# Altium PCB SVPX_FMC_6U_SOM.PcbDoc (part 1 of 9) (continued)
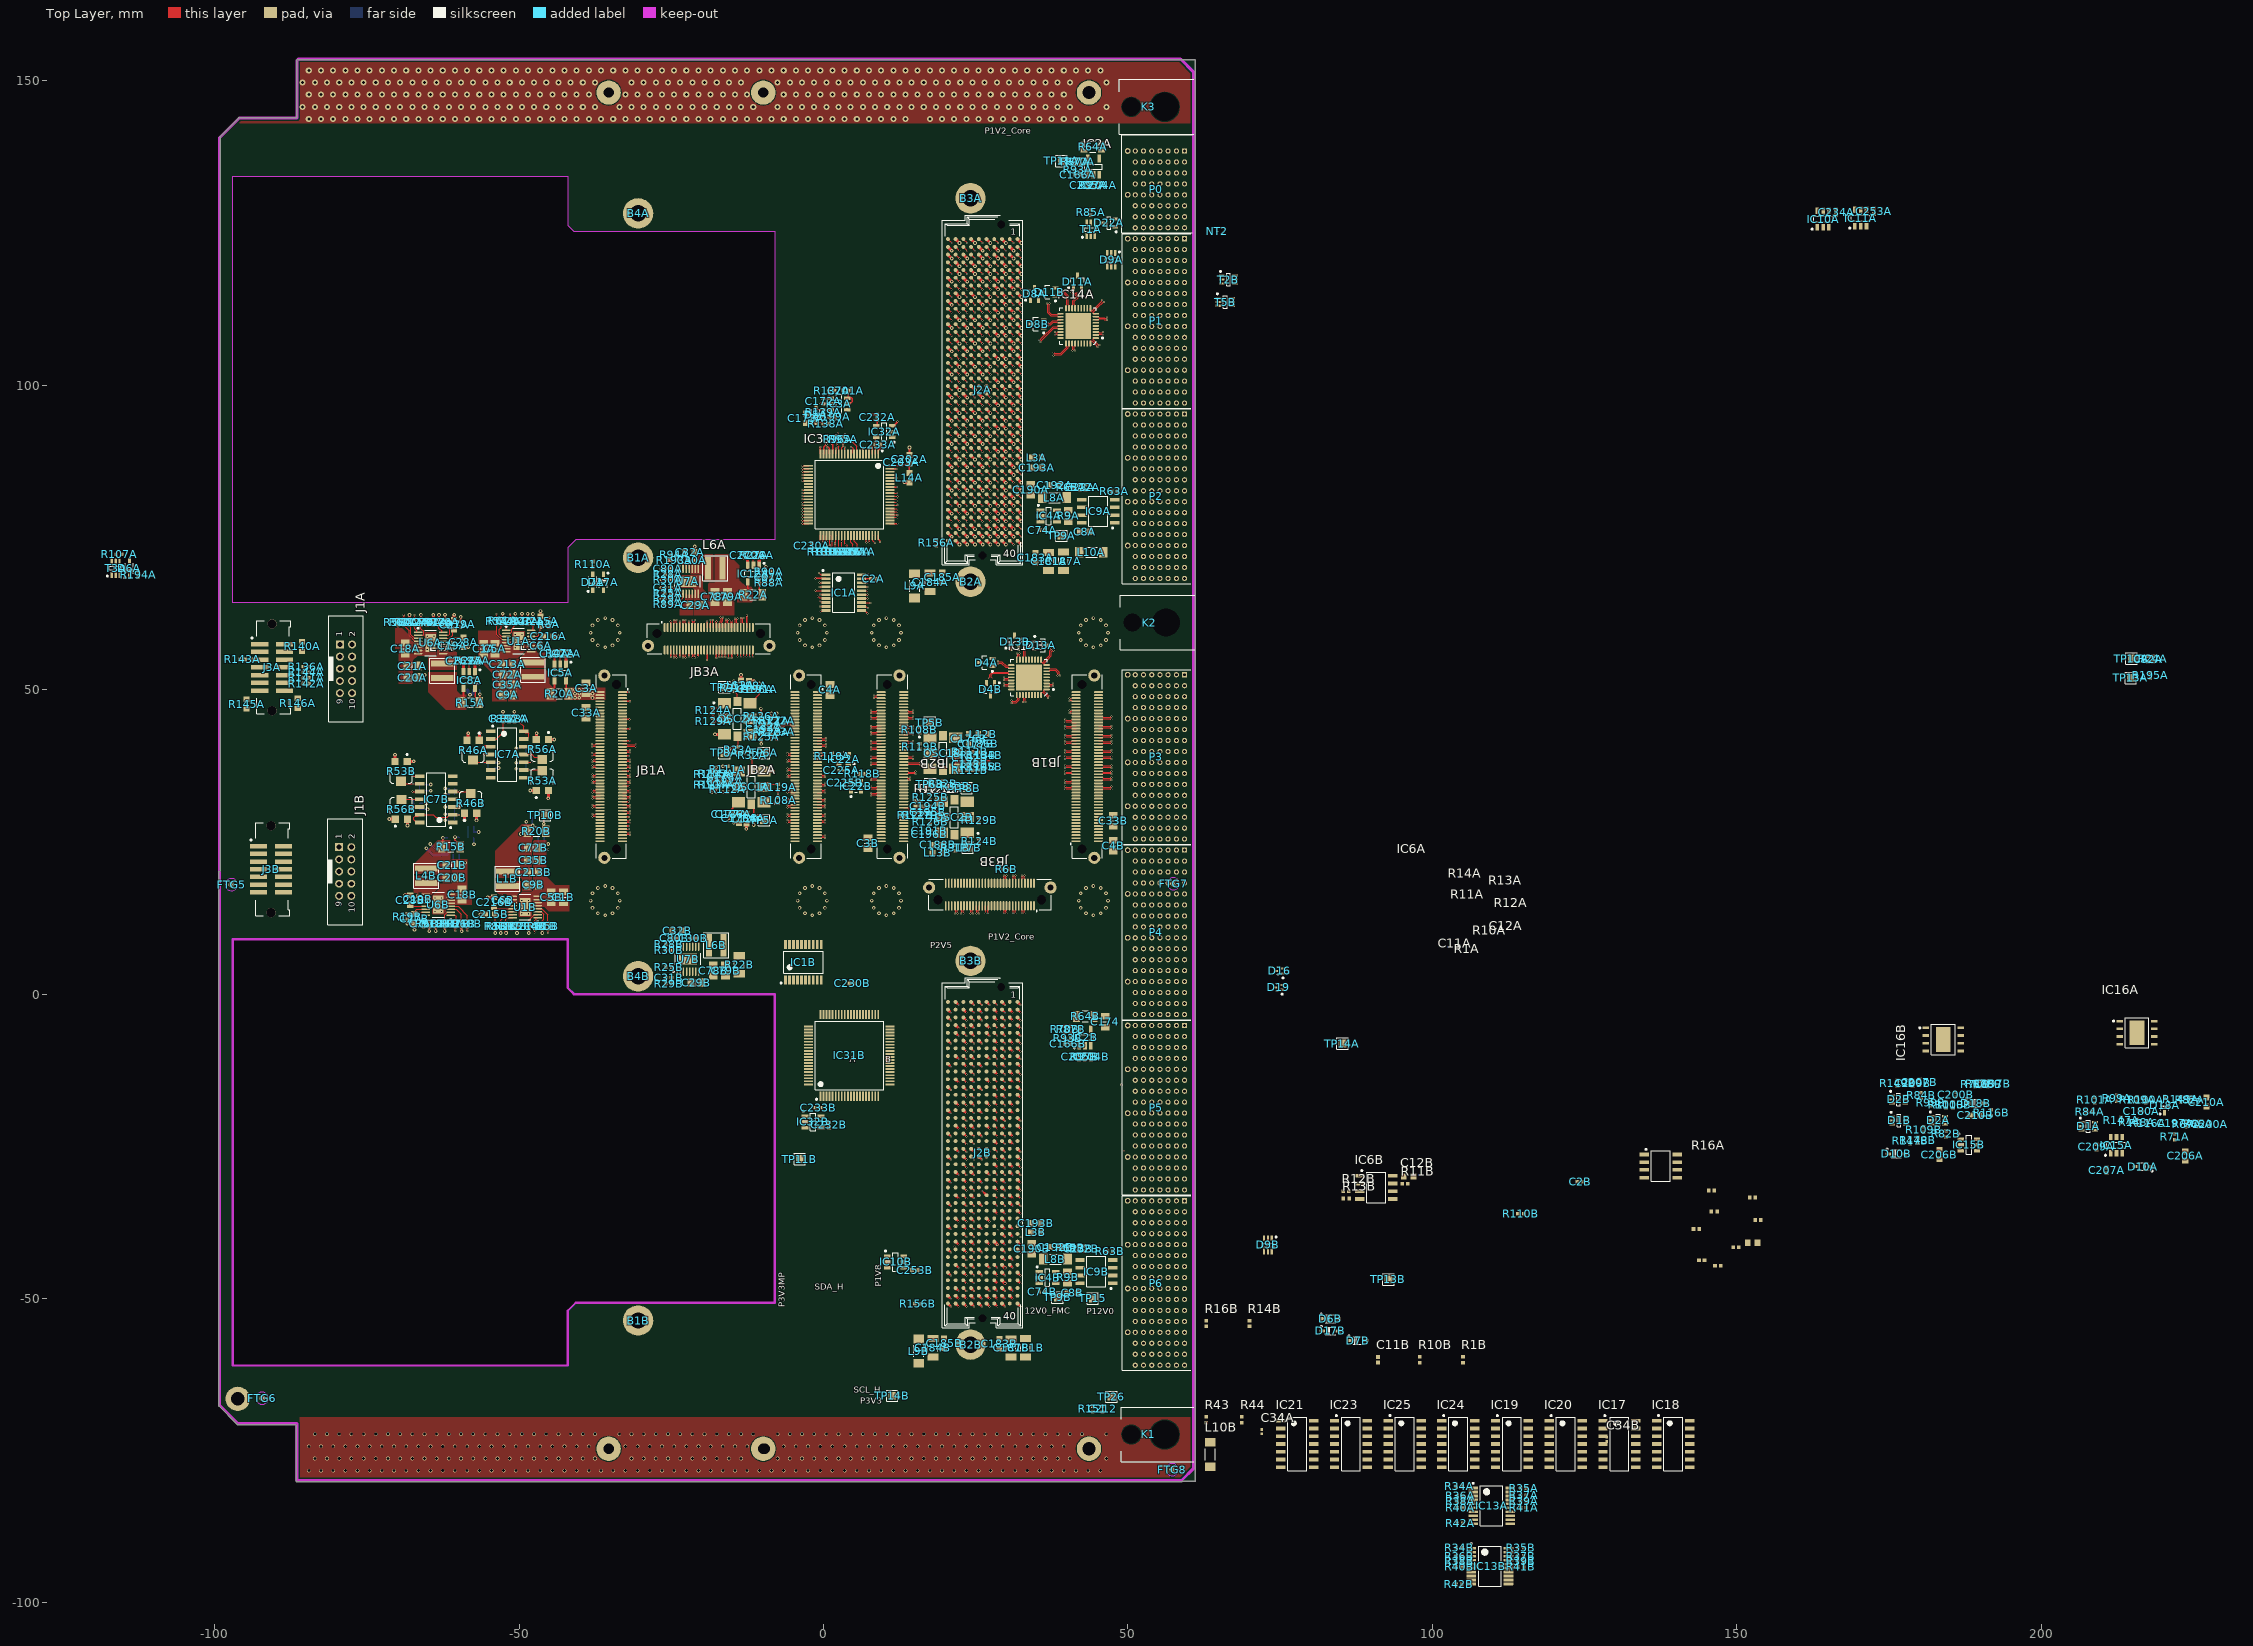
[diagram p0: Top Layer view]
## Design rules (kind name [scope] priority, off if disabled: settings) (continued)
MatchedLengths MatchedLengths_xDP [InxSignalClass('DP')] p3: tolerance=1 checknetsindiffpair=FALSE checkdiffpairvsdiffpair=TRUE checkxsignals=TRUE checkothers=TRUE
MatchedLengths MatchedLengths_Ain [InNetClass('SpW_01_in')] p4: tolerance=2 checknetsindiffpair=FALSE checkdiffpairvsdiffpair=TRUE checkxsignals=TRUE checkothers=TRUE
MatchedLengths MatchedLengths_Aout [InNetClass('SpW_01_out')] p5: tolerance=2 checknetsindiffpair=FALSE checkdiffpairvsdiffpair=TRUE checkxsignals=TRUE checkothers=TRUE
MatchedLengths MatchedLengths_Bin [InNetClass('SpW_02_in')] p6: tolerance=2 checknetsindiffpair=FALSE checkdiffpairvsdiffpair=TRUE checkxsignals=TRUE checkothers=TRUE
MatchedLengths MatchedLengths_Bout [InNetClass('SpW_02_out')] p7: tolerance=2 checknetsindiffpair=FALSE checkdiffpairvsdiffpair=TRUE checkxsignals=TRUE checkothers=TRUE
MatchedLengths MatchedLengths_LPDDR [InNetClass('LPDDR')] p8: tolerance=0.1 checknetsindiffpair=FALSE checkdiffpairvsdiffpair=TRUE checkxsignals=TRUE checkothers=TRUE
MatchedLengths [(InDifferentialPairClass('All Differential Pairs'))] p9: tolerance=2 checknetsindiffpair=TRUE checkdiffpairvsdiffpair=FALSE checkxsignals=FALSE checkothers=FALSE
MinimumAnnularRing MinimumAnnularRing_mid [OnMid] p1: minimumring=0.1
MinimumAnnularRing MinimumAnnularRing_out [OnBottomLayer or OnTopLayer] p2: minimumring=0.1
MinimumSolderMaskSliver [All] p1: minsoldermaskwidth=0.25
PlaneClearance [All] p1: clearance=0.254
PlaneConnect [All] p1: planeconnectstyle=Direct reliefexpansion=0.508 reliefentries=4 reliefconductorwidth=0.254 reliefairgap=0.254
PolygonConnect PolygonConnect_thermal [HasFootprint('CAPC1608X87N') or HasFootprint('RESC1005X40N') or HasFootprint('CAPC1005X55N')] p1: connectstyle=Relief reliefconductorwidth=0.254 reliefentries=4 polygonreliefangle="90 Angle" airgapwidth=0.254
PolygonConnect PolygonConnect_IsVia [IsVia] p2: connectstyle=Direct reliefconductorwidth=0.254 reliefentries=4 polygonreliefangle="90 Angle" airgapwidth=0.254
PolygonConnect PolygonConnect_VS [(InNet('VS1') OR InNet('VS2')) or InNetClass('Power')] p3: connectstyle=Direct reliefconductorwidth=0.254 reliefentries=4 polygonreliefangle="90 Angle" airgapwidth=0.152
PolygonConnect PolygonConnect_1 [All] p4: connectstyle=Relief reliefconductorwidth=0.254 reliefentries=4 polygonreliefangle="90 Angle" airgapwidth=0.254
RoomDefinition U_MISC_Protection [InComponentClass('U_MISC_Protection')] p1: confinementstyle=ConfineIn formatcopy=TRUE lockcomponents=FALSE outline 62.196,-78.723 143.45,-78.723 143.45,-66.302 62.196,-66.302
RoomDefinition U_LVDS_Splitter1 [InComponentClass('U_LVDS_Splitter1')] p2: confinementstyle=ConfineIn formatcopy=TRUE lockcomponents=FALSE outline 62.18,-62.298 147.335,-62.298 147.335,-57.623 62.18,-57.623
RoomDefinition WR_OSC2 [InComponentClass('WR_OSC2')] p3: confinementstyle=ConfineIn formatcopy=TRUE lockcomponents=FALSE outline -244.535,-268.283 -193.735,-268.283 -193.735,-242.883 -244.535,-242.883
RoomDefinition WR_OSC1 [InComponentClass('WR_OSC1')] p4: confinementstyle=ConfineIn formatcopy=TRUE lockcomponents=FALSE outline 62.18,-0.645 394.497,-0.645 394.497,9.981 62.18,9.981
RoomDefinition U_NIC_MSP430_power_jtag1 [InComponentClass('U_NIC_MSP430_power_jtag1')] p5: confinementstyle=ConfineIn formatcopy=TRUE lockcomponents=FALSE outline 82.398,184.53 248.556,184.53 248.556,191.43 82.398,191.43
RoomDefinition U_management2 [InComponentClass('U_management2')] p6: confinementstyle=ConfineIn formatcopy=TRUE lockcomponents=FALSE outline -244.535,-268.283 -193.735,-268.283 -193.735,-242.883 -244.535,-242.883
RoomDefinition U_management1 [InComponentClass('U_management1')] p7: confinementstyle=ConfineIn formatcopy=TRUE lockcomponents=FALSE outline 94.923,115.08 243.855,115.08 243.855,122.255 94.923,122.255
RoomDefinition U_FPGA_Config2 [InComponentClass('U_FPGA_Config2')] p8: confinementstyle=ConfineIn formatcopy=TRUE lockcomponents=FALSE outline -244.535,-268.283 -193.735,-268.283 -193.735,-242.883 -244.535,-242.883
RoomDefinition U_FPGA_Config1 [InComponentClass('U_FPGA_Config1')] p9: confinementstyle=ConfineIn formatcopy=TRUE lockcomponents=FALSE outline 62.18,-45.022 371.57,-45.022 371.57,-31.096 62.18,-31.096
RoomDefinition U_FMC_connector2 [InComponentClass('U_FMC_connector2')] p10: confinementstyle=ConfineIn formatcopy=TRUE lockcomponents=FALSE outline -244.535,-268.283 -193.735,-268.283 -193.735,-242.883 -244.535,-242.883
RoomDefinition "Supply for FPGA, FMC and SDRAM2" [InComponentClass('Supply for FPGA, FMC and SDRAM2')] p11: confinementstyle=ConfineIn formatcopy=TRUE lockcomponents=FALSE outline 1022.327,999.454 1031.278,999.454 1031.278,1003.029 1022.327,1003.029
RoomDefinition "Supply for FPGA, FMC and SDRAM1" [InComponentClass('Supply for FPGA, FMC and SDRAM1')] p12: confinementstyle=ConfineIn formatcopy=TRUE lockcomponents=FALSE outline 62.18,-64.998 575.575,-64.998 575.575,-52.548 62.18,-52.548
RoomDefinition SoM2 [InComponentClass('SoM2')] p13: confinementstyle=ConfineIn formatcopy=TRUE lockcomponents=FALSE outline -244.535,-268.283 -193.735,-268.283 -193.735,-242.883 -244.535,-242.883
RoomDefinition SoM1 [InComponentClass('SoM1')] p14: confinementstyle=ConfineIn formatcopy=TRUE lockcomponents=FALSE outline 597.056,-58.948 1207.386,-58.948 1207.386,-52.573 597.056,-52.573
RoomDefinition Interface_prot_A2 [InComponentClass('Interface_prot_A2')] p15: confinementstyle=ConfineIn formatcopy=TRUE lockcomponents=FALSE outline -244.535,-268.283 -193.735,-268.283 -193.735,-242.883 -244.535,-242.883
RoomDefinition Interface_prot_A1 [InComponentClass('Interface_prot_A1')] p16: confinementstyle=ConfineIn formatcopy=TRUE lockcomponents=FALSE outline 62.18,-78.674 87.757,-78.674 87.757,-66.248 62.18,-66.248
RoomDefinition CLK_prot_22 [InComponentClass('CLK_prot_22')] p17: confinementstyle=ConfineIn formatcopy=TRUE lockcomponents=FALSE outline -244.535,-268.283 -193.735,-268.283 -193.735,-242.883 -244.535,-242.883
RoomDefinition CLK_prot_21 [InComponentClass('CLK_prot_21')] p18: confinementstyle=ConfineIn formatcopy=TRUE lockcomponents=FALSE outline 62.18,-7.72 66.806,-7.72 66.806,-1.92 62.18,-1.92
RoomDefinition CLK_prot2 [InComponentClass('CLK_prot2')] p19: confinementstyle=ConfineIn formatcopy=TRUE lockcomponents=FALSE outline 62.18,-14.796 66.806,-14.796 66.806,-8.995 62.18,-8.995
RoomDefinition CLK_prot1 [InComponentClass('CLK_prot1')] p20: confinementstyle=ConfineIn formatcopy=TRUE lockcomponents=FALSE outline 62.18,-14.796 66.806,-14.796 66.806,-8.995 62.18,-8.995
RoomDefinition U_SLT3-PAY-1Q2T_P6 [InComponentClass('U_SLT3-PAY-1Q2T_P6')] p21: confinementstyle=ConfineIn formatcopy=TRUE lockcomponents=FALSE outline -244.535,-268.283 -193.735,-268.283 -193.735,-242.883 -244.535,-242.883
RoomDefinition U_SLT3-PAY-1Q2T_P5 [InComponentClass('U_SLT3-PAY-1Q2T_P5')] p22: confinementstyle=ConfineIn formatcopy=TRUE lockcomponents=FALSE outline -244.535,-268.283 -193.735,-268.283 -193.735,-242.883 -244.535,-242.883
RoomDefinition U_SLT3-PAY-1Q2T_P4 [InComponentClass('U_SLT3-PAY-1Q2T_P4')] p23: confinementstyle=ConfineIn formatcopy=TRUE lockcomponents=FALSE outline -244.535,-268.283 -193.735,-268.283 -193.735,-242.883 -244.535,-242.883
RoomDefinition U_FPGA_Config [InComponentClass('U_FPGA_Config')] p24: confinementstyle=ConfineIn formatcopy=TRUE lockcomponents=FALSE outline 62.196,-75.065 314.316,-75.065 314.316,-61.146 62.196,-61.146
RoomDefinition SoM [InComponentClass('SoM')] p25: confinementstyle=ConfineIn formatcopy=TRUE lockcomponents=FALSE outline -244.535,-268.283 -193.735,-268.283 -193.735,-242.883 -244.535,-242.883
RoomDefinition U_FMC_connector1 [InComponentClass('U_FMC_connector1')] p26: confinementstyle=ConfineIn formatcopy=TRUE lockcomponents=FALSE outline 33.675,128.65 18.925,128.65 18.925,69.775 33.675,69.775
RoomDefinition U_HDN_Management [InComponentClass('U_HDN_Management')] p27: confinementstyle=ConfineIn formatcopy=TRUE lockcomponents=FALSE outline 339.608,-41.315 345.608,-41.315 345.608,-47.275 339.608,-47.275
RoomDefinition U_LVDS_Splitter2 [InComponentClass('U_LVDS_Splitter2')] p28: confinementstyle=ConfineIn formatcopy=TRUE lockcomponents=FALSE outline 313.633,20.225 307.438,20.225 307.438,15.975 313.633,15.975
RoomDefinition [False vs False] p29: confinementstyle=ConfineIn formatcopy=TRUE lockcomponents=FALSE outline 22.79,-2.395 22.718,-2.395 22.718,-2.467 22.79,-2.467
RoomDefinition BGA [InComponentClass('Room Definition 1')] p30: confinementstyle=ConfineIn formatcopy=TRUE lockcomponents=FALSE outline -5.379,-36.379 -5.379,-12.621 19.054,-12.621 19.054,-36.379
RoomDefinition WR_OSC [InComponentClass('WR_OSC')] p31: confinementstyle=ConfineIn formatcopy=TRUE lockcomponents=FALSE outline -244.535,-268.283 -193.735,-268.283 -193.735,-242.883 -244.535,-242.883
RoomDefinition U_SLT3-PAY-1Q2T_P2 [InComponentClass('U_SLT3-PAY-1Q2T_P2')] p32: confinementstyle=ConfineIn formatcopy=TRUE lockcomponents=FALSE outline -244.535,-268.283 -193.735,-268.283 -193.735,-242.883 -244.535,-242.883
RoomDefinition U_SLT3-PAY-1Q2T_P1 [InComponentClass('U_SLT3-PAY-1Q2T_P1')] p33: confinementstyle=ConfineIn formatcopy=TRUE lockcomponents=FALSE outline -244.535,-268.283 -193.735,-268.283 -193.735,-242.883 -244.535,-242.883
RoomDefinition U_SLT3-PAY-1Q2T_P0 [InComponentClass('U_SLT3-PAY-1Q2T_P0')] p34: confinementstyle=ConfineIn formatcopy=TRUE lockcomponents=FALSE outline 62.043,-78.545 66.996,-78.545 66.996,-75.243 62.043,-75.243
RoomDefinition U_NIC_MSP430_power_jtag [InComponentClass('U_NIC_MSP430_power_jtag')] p35: confinementstyle=ConfineIn formatcopy=TRUE lockcomponents=FALSE outline -244.535,-268.283 -193.735,-268.283 -193.735,-242.883 -244.535,-242.883
RoomDefinition U_NIC_MSP430_power_jtag2 [InComponentClass('U_NIC_MSP430_power_jtag2')] p36: confinementstyle=ConfineIn formatcopy=TRUE lockcomponents=FALSE outline -244.535,-268.283 -193.735,-268.283 -193.735,-242.883 -244.535,-242.883
RoomDefinition FPGA_Misc [InComponentClass('FPGA_Misc')] p37: confinementstyle=ConfineIn formatcopy=TRUE lockcomponents=FALSE outline -244.535,-268.283 -193.735,-268.283 -193.735,-242.883 -244.535,-242.883
RoomDefinition U_CAN_PHY [InComponentClass('U_CAN_PHY')] p38: confinementstyle=ConfineIn formatcopy=TRUE lockcomponents=FALSE outline 61.965,-9.284 68.215,-9.284 68.215,-3.034 61.965,-3.034
RoomDefinition SVPXFMC_Carrier_3U [InComponentClass('SVPXFMC_Carrier_3U')] p39: confinementstyle=ConfineIn formatcopy=TRUE lockcomponents=FALSE outline 62.215,-15.534 75.215,-15.534 75.215,-10.534 62.215,-10.534
RoomDefinition FPGA_SpW_Misc [InComponentClass('FPGA_SpW_Misc')] p40: confinementstyle=ConfineIn formatcopy=TRUE lockcomponents=FALSE outline 61.965,-50.783 73.215,-50.783 73.215,-44.533 61.965,-44.533
RoomDefinition U_CAN_IFC2 [InComponentClass('U_CAN_IFC2')] p41: confinementstyle=ConfineIn formatcopy=TRUE lockcomponents=FALSE outline 33.53,-40.35 47.78,-40.35 47.78,-35.85 33.53,-35.85
RoomDefinition U_CAN_IFC1 [InComponentClass('U_CAN_IFC1')] p42: confinementstyle=ConfineIn formatcopy=TRUE lockcomponents=FALSE outline 48.25,-40.5 33.75,-40.5 33.75,-44.5 48.25,-44.5
RoomDefinition FPGA_SpW_CAN_Misc [InComponentClass('FPGA_SpW_CAN_Misc')] p43: confinementstyle=ConfineIn formatcopy=TRUE lockcomponents=FALSE outline 20.5,-38 -6.25,-38 -6.25,-13.5 20.5,-13.5
RoomDefinition U_MSP_Telemetry [InComponentClass('U_MSP_Telemetry')] p44: confinementstyle=ConfineIn formatcopy=TRUE lockcomponents=FALSE outline -50,-70 -4.5,-70 -4.5,-51.75 -50,-51.75
RoomDefinition U_MSP_Power_Program [InComponentClass('U_MSP_Power_Program')] p45: confinementstyle=ConfineIn formatcopy=TRUE lockcomponents=FALSE outline -82.25,-72.25 -64.75,-72.25 -64.75,-62 -82.25,-62
RoomDefinition CLK_prot_2 [InComponentClass('CLK_prot_2')] p46: confinementstyle=ConfineIn formatcopy=TRUE lockcomponents=FALSE outline -81.75,-72.75 -45.75,-72.75 -45.75,-63 -81.75,-63
RoomDefinition CLK_prot [InComponentClass('CLK_prot')] p47: confinementstyle=ConfineIn formatcopy=TRUE lockcomponents=FALSE outline 48,-37.775 63.25,-37.775 63.25,9.25 48,9.25
RoomDefinition U_SLT3-PAY-1Q2T_P3 [InComponentClass('U_SLT3-PAY-1Q2T_P3')] p48: confinementstyle=ConfineIn formatcopy=TRUE lockcomponents=FALSE outline -9.5,-69.25 -0.55,-69.25 -0.55,-61.8 -9.5,-61.8
RoomDefinition SVPXFMC_Carrier_6U_SOM [InComponentClass('SVPXFMC_Carrier_6U_SOM')] p49: confinementstyle=ConfineIn formatcopy=TRUE lockcomponents=FALSE outline 33,-36.5 48.75,-36.5 48.75,9 33,9
RoomDefinition "U_FPGA SDRAM bank" [InComponentClass('U_FPGA SDRAM bank')] p50: confinementstyle=ConfineIn formatcopy=TRUE lockcomponents=FALSE outline -4.718,-40.65 8.195,-40.65 8.195,-49.843 -4.718,-49.843
RoomDefinition U_FMC_connector [InComponentClass('U_FMC_connector')] p51: confinementstyle=ConfineIn formatcopy=TRUE lockcomponents=FALSE outline 16,-62.5 33.98,-62.5 33.98,4.416 16,4.416
RoomDefinition U_Decoupling_caps [InComponentClass('U_Decoupling_caps')] p52: confinementstyle=ConfineIn formatcopy=TRUE lockcomponents=FALSE outline 18.25,-18.666 -6.25,-18.666 -6.25,-37.45 18.25,-37.45
RoomDefinition "Supply for FPGA, FMC and SDRAM" [InComponentClass('Supply for FPGA, FMC and SDRAM')] p53: confinementstyle=ConfineIn formatcopy=TRUE lockcomponents=FALSE outline 9.25,-53 46.75,-53 46.75,9 9.25,9
RoomDefinition Interface_prot_A [InComponentClass('Interface_prot_A')] p54: confinementstyle=ConfineIn formatcopy=TRUE lockcomponents=FALSE outline 6.75,-69.25 20.75,-69.25 20.75,-57 6.75,-57
RoomDefinition "FPGA config" [InComponentClass('FPGA config')] p55: confinementstyle=ConfineIn formatcopy=TRUE lockcomponents=FALSE outline -50.5,-69.75 -25,-69.75 -25,-50.684 -50.5,-50.684
RoomDefinition FPGA_MGT [InComponentClass('FPGA_MGT')] p56: confinementstyle=ConfineIn formatcopy=TRUE lockcomponents=FALSE outline -6,-38.75 18,-38.75 18,-4.25 -6,-4.25
RoomDefinition FPGA_FMC [InComponentClass('FPGA_FMC')] p57: confinementstyle=ConfineIn formatcopy=TRUE lockcomponents=FALSE outline 61.965,-78.283 73.465,-78.283 73.465,-72.783 61.965,-72.783
RoutingPriority RoutingPriority_LPDDR [InNetClass('LPDDR')] p1: routingpriority=0
RoutingPriority [All] p2: routingpriority=1
RoutingVias RoutingVias_1 [InNet('shell_-')] p1: holewidth=0.5 width=1 viastyle="Through Hole" minholewidth=0.5 minwidth=1 maxholewidth=0.5 maxwidth=1
RoutingVias RoutingVias_BGA [WithinRoom('BGA')] p2: holewidth=0.16 width=0.32 viastyle="Through Hole" minholewidth=0.16 minwidth=0.32 maxholewidth=0.16 maxwidth=0.32 viatemplateguid#1={77EBC864-136E-404E-A00C-8E6C0EF6E20C} viatemplatename#1=v40h20m0mx0
RoutingVias RoutingVias_Power [InNetClass('Power')] p3: holewidth=0.3 width=0.6 viastyle="Through Hole" minholewidth=0.16 minwidth=0.32 maxholewidth=0.3 maxwidth=0.6
RoutingVias [All] p4: holewidth=0.16 width=0.32 viastyle="Through Hole" minholewidth=0.16 minwidth=0.32 maxholewidth=0.16 maxwidth=0.32 viatemplateguid#1={77EBC864-136E-404E-A00C-8E6C0EF6E20C} viatemplatename#1=v40h20m0mx0
SilkToSilkClearance [All] p1: silktosilkclearance=0.148
SilkToSolderMaskClearance [IsPad] p1: minsilkscreentomaskgap=0.1 clearancetoexposedcopper=TRUE
SolderMaskExpansion [All] p1: expansion=0.102
Width Width_PWR [InNetClass('Power')  or InNetClass('Power_MAIN_BUS')] p1: maxlimit=2 minlimit=0.254 preferedwidth=0.5 minimp=50.000000 maximp=50.000000 favimp=50.000000
Width Width_LPDDR [InNetClass('LPDDR')] p2: maxlimit=0.275 minlimit=0.082 preferedwidth=0.11 toplayer_minwidth=0.225 toplayer_prefwidth=0.275 midlayer1_minwidth=0.082 midlayer1_maxwidth=0.11 midlayer1_prefwidth=0.11 midlayer2_maxwidth=0.188 midlayer3_maxwidth=0.188 midlayer4_minwidth=0.082 midlayer4_maxwidth=0.11 midlayer4_prefwidth=0.11 midlayer5_minwidth=0.11 midlayer5_maxwidth=0.11 midlayer6_minwidth=0.082 midlayer6_maxwidth=0.189 midlayer6_prefwidth=0.11 midlayer7_minwidth=0.11 midlayer7_maxwidth=0.11 midlayer8_minwidth=0.109 midlayer8_maxwidth=0.109 midlayer8_prefwidth=0.109 bottomlayer_minwidth=0.225 bottomlayer_prefwidth=0.275 impedanceprofiledriven=TRUE minimp=50.000000 maximp=50.000000 favimp=50.000000
Width [All] p3: maxlimit=1 minlimit=0.069 preferedwidth=0.127 midlayer5_maxwidth=0.254 midlayer7_maxwidth=0.254 midlayer8_maxwidth=0.254 minimp=50.000000 maximp=50.000000 favimp=50.000000
18 further rules are at their usual default settings.

## Classes and differential pairs
component class U_MISC_Protection: IC17 IC18 IC19 IC20 IC21 IC23 IC24 IC25 R43 R44
net class FMC_CLKs: CLK0_M2CA_N CLK0_M2CA_P CLK0_M2CB_N CLK0_M2CB_P CLK1_M2CA_N CLK1_M2CA_P CLK1_M2CB_N CLK1_M2CB_P CLK2_BIDIRA_N CLK2_BIDIRA_P CLK2_BIDIRB_N CLK2_BIDIRB_P CLK3_BIDIRA_N CLK3_BIDIRA_P CLK3_BIDIRB_N CLK3_BIDIRB_P CLK_DIRA CLK_DIRB GBTCLK0_M2CA_N GBTCLK0_M2CA_P GBTCLK0_M2CB_N GBTCLK0_M2CB_P GBTCLK1_M2CA_N GBTCLK1_M2CA_P GBTCLK1_M2CB_N GBTCLK1_M2CB_P
net class FMC_17_33: LA17_CCA_N LA17_CCA_P LA17_CCB_N LA17_CCB_P LA18_CCA_N LA18_CCA_P LA18_CCB_N LA18_CCB_P LA19A_N LA19A_P LA19B_N LA19B_P LA20A_N LA20A_P LA20B_N LA20B_P LA21A_N LA21A_P LA21B_N LA21B_P LA22A_N LA22A_P LA22B_N LA22B_P LA23A_N LA23A_P LA23B_N LA23B_P LA24A_N LA24A_P LA24B_N LA24B_P LA25A_N LA25A_P LA25B_N LA25B_P LA26A_N LA26A_P LA26B_N LA26B_P LA27A_N LA27A_P LA27B_N LA27B_P LA28A_N LA28A_P LA28B_N LA28B_P LA29A_N LA29A_P LA29B_N LA29B_P LA30A_N LA30A_P LA30B_N LA30B_P LA31A_N LA31A_P LA31B_N LA31B_P LA32A_N LA32A_P LA32B_N LA32B_P LA33A_N LA33A_P LA33B_N LA33B_P
net class FMC_0_16: LA00_CCA_N LA00_CCA_P LA00_CCB_N LA00_CCB_P LA01_CCA_N LA01_CCA_P LA01_CCB_N LA01_CCB_P LA02A_N LA02A_P LA02B_N LA02B_P LA03A_N LA03A_P LA03B_N LA03B_P LA04A_N LA04A_P LA04B_N LA04B_P LA05A_N LA05A_P LA05B_N LA05B_P LA06A_N LA06A_P LA06B_N LA06B_P LA07A_N LA07A_P LA07B_N LA07B_P LA08A_N LA08A_P LA08B_N LA08B_P LA09A_N LA09A_P LA09B_N LA09B_P LA10A_N LA10A_P LA10B_N LA10B_P LA11A_N LA11A_P LA11B_N LA11B_P LA12A_N LA12A_P LA12B_N LA12B_P LA13A_N LA13A_P LA13B_N LA13B_P LA14A_N LA14A_P LA14B_N LA14B_P LA15A_N LA15A_P LA15B_N LA15B_P LA16A_N LA16A_P LA16B_N LA16B_P
net class FMC_LA_B: LA00_CCB_N LA00_CCB_P LA01_CCB_N LA01_CCB_P LA02B_N LA02B_P LA03B_N LA03B_P LA04B_N LA04B_P LA05B_N LA05B_P LA06B_N LA06B_P LA07B_N LA07B_P LA08B_N LA08B_P LA09B_N LA09B_P LA10B_N LA10B_P LA11B_N LA11B_P LA12B_N LA12B_P LA13B_N LA13B_P LA14B_N LA14B_P LA15B_N LA15B_P LA16B_N LA16B_P LA17_CCB_N LA17_CCB_P LA18_CCB_N LA18_CCB_P LA19B_N LA19B_P LA20B_N LA20B_P LA21B_N LA21B_P LA22B_N LA22B_P LA23B_N LA23B_P LA24B_N LA24B_P LA25B_N LA25B_P LA26B_N LA26B_P LA27B_N LA27B_P LA28B_N LA28B_P LA29B_N LA29B_P LA30B_N LA30B_P LA31B_N LA31B_P LA32B_N LA32B_P LA33B_N LA33B_P
net class FMC_LA_A: LA00_CCA_N LA00_CCA_P LA01_CCA_N LA01_CCA_P LA02A_N LA02A_P LA03A_N LA03A_P LA04A_N LA04A_P LA05A_N LA05A_P LA06A_N LA06A_P LA07A_N LA07A_P LA08A_N LA08A_P LA09A_N LA09A_P LA10A_N LA10A_P LA11A_N LA11A_P LA12A_N LA12A_P LA13A_N LA13A_P LA14A_N LA14A_P LA15A_N LA15A_P LA16A_N LA16A_P LA17_CCA_N LA17_CCA_P LA18_CCA_N LA18_CCA_P LA19A_N LA19A_P LA20A_N LA20A_P LA21A_N LA21A_P LA22A_N LA22A_P LA23A_N LA23A_P LA24A_N LA24A_P LA25A_N LA25A_P LA26A_N LA26A_P LA27A_N LA27A_P LA28A_N LA28A_P LA29A_N LA29A_P LA30A_N LA30A_P LA31A_N LA31A_P LA32A_N LA32A_P LA33A_N LA33A_P
net class FMC_LA: LA00_CCA_N LA00_CCA_P LA00_CCB_N LA00_CCB_P LA01_CCA_N LA01_CCA_P LA01_CCB_N LA01_CCB_P LA02A_N LA02A_P LA02B_N LA02B_P LA03A_N LA03A_P LA03B_N LA03B_P LA04A_N LA04A_P LA04B_N LA04B_P LA05A_N LA05A_P LA05B_N LA05B_P LA06A_N LA06A_P LA06B_N LA06B_P LA07A_N LA07A_P LA07B_N LA07B_P LA08A_N LA08A_P LA08B_N LA08B_P LA09A_N LA09A_P LA09B_N LA09B_P LA10A_N LA10A_P LA10B_N LA10B_P LA11A_N LA11A_P LA11B_N LA11B_P LA12A_N LA12A_P LA12B_N LA12B_P LA13A_N LA13A_P LA13B_N LA13B_P LA14A_N LA14A_P LA14B_N LA14B_P LA15A_N LA15A_P LA15B_N LA15B_P LA16A_N LA16A_P LA16B_N LA16B_P LA17_CCA_N LA17_CCA_P LA17_CCB_N LA17_CCB_P LA18_CCA_N LA18_CCA_P LA18_CCB_N LA18_CCB_P LA19A_N LA19A_P LA19B_N LA19B_P LA20A_N LA20A_P LA20B_N LA20B_P LA21A_N LA21A_P LA21B_N LA21B_P LA22A_N LA22A_P LA22B_N LA22B_P LA23A_N LA23A_P LA23B_N LA23B_P LA24A_N LA24A_P LA24B_N LA24B_P LA25A_N LA25A_P LA25B_N LA25B_P LA26A_N LA26A_P LA26B_N LA26B_P LA27A_N LA27A_P LA27B_N LA27B_P LA28A_N LA28A_P LA28B_N LA28B_P LA29A_N LA29A_P LA29B_N LA29B_P LA30A_N LA30A_P LA30B_N LA30B_P LA31A_N LA31A_P LA31B_N LA31B_P LA32A_N LA32A_P LA32B_N LA32B_P LA33A_N LA33A_P LA33B_N LA33B_P
channel class LVDS_Splitter: U_LVDS_Splitter1 U_LVDS_Splitter2
component class U_LVDS_Splitter2: C34B IC14B
component class U_LVDS_Splitter1: C34A IC14A
channel class WR_OSC: WR_OSC1 WR_OSC2
channel class SoM: SoM1 SoM2
channel class Power_supply: "Supply for FPGA, FMC and SDRAM1" "Supply for FPGA, FMC and SDRAM2"
channel class MSP430_power_jtag: U_NIC_MSP430_power_jtag1 U_NIC_MSP430_power_jtag2
channel class Management: U_management1 U_management2
channel class Interface_Protection: Interface_prot_A1 Interface_prot_A2
channel class FPGA_Config: U_FPGA_Config1 U_FPGA_Config2
channel class FMC_connector: U_FMC_connector1 U_FMC_connector2
component class WR_OSC1: C175A C176A C177A C178A C182A C186A C188A C191A C194A C195A C196A L12A L13A OSC1A OSC2A R86A R98A R103A R104A R105A R108A R111A R112A R113A R114A R119A R120A R121A R122A R123A R124A R125A R126A R127A R128A R129A TP5A TP6A TP7A TP8A
component class U_NIC_MSP430_power_jtag1: C172A C173A C199A C201A C202A C203A D5A D12A D14A D15A D20A IC3A J3A L14A R136A R137A R138A R139A R140A R141A R142A R143A R144A R145A R146A
component class U_management1: C232A C233A C234A C253A D9A IC10A IC11A IC31A IC32A R95A R96A R130A R131A R132A R133A R134A R135A R160A R161A
component class U_FPGA_Config1: C197A C200A C206A C207A C209A C210A D1A D2A D10A D18A IC15A IC16A J1A R14A R16A R66A R67A R71A R82A R84A R99A R100A R101A R109A R116A R147A R148A R149A
component class U_FMC_connector1: B1A B2A B3A B4A C179A C180A C181A C183A C184A C185A C187A C189A C190A C192A C193A J2A
component class "Supply for FPGA, FMC and SDRAM1": C1A C5A C6A C7A C8A C9A C10A C11A C12A C18A C19A C20A C21A C22A C23A C24A C25A C26A C27A C28A C29A C30A C31A C32A C35A C72A C74A C75A C76A C78A C79A C80A C82A C83A C86A C87A C166A C204A C205A C213A C214A C215A C216A C269A C270A D6A D7A D17A IC2A IC4A IC5A IC6A IC7A IC8A IC9A IC12A L1A L3A L4A L6A L8A L9A L10A R1A R2A R3A R4A R5A R7A R8A R9A R10A R11A R12A R13A R15A R17A R18A R19A R20A R21A R22A R23A R24A R25A R26A R27A R28A R29A R30A R45A R46A R47A R48A R52A R53A R54A R55A R56A R57A R58A R60A R61A R63A R64A R65A R70A R72A R73A R76A R79A R80A R81A R83A R85A R87A R88A R89A R90A R91A R93A R94A R97A R107A R110A R156A R192A R193A R194A R195A T3A TP9A TP10A TP11A TP13A TP14A U1A U6A U7A
component class SoM1: C3A C4A C33A C114A C115A C116A C225A D4A D8A D11A D13A IC13A IC22A JB1A JB2A JB3A R6A R31A R32A R33A R34A R35A R36A R37A R38A R39A R40A R41A R42A R118A T2A T5A
component class Interface_prot_A1: C2A C230A IC1A
component class CLK_prot_2: D22B D23B T1B
net class GBT: DP0_C2MA_N DP0_C2MA_P DP0_C2MB_N DP0_C2MB_P DP0_M2CA_N DP0_M2CA_P DP0_M2CB_N DP0_M2CB_P DP1_C2MA_N DP1_C2MA_P DP1_C2MB_N DP1_C2MB_P DP1_M2CA_N DP1_M2CA_P DP1_M2CB_N DP1_M2CB_P DP2_C2MA_N DP2_C2MA_P DP2_C2MB_N DP2_C2MB_P DP2_M2CA_N DP2_M2CA_P DP2_M2CB_N DP2_M2CB_P DP3_C2MA_N DP3_C2MA_P DP3_C2MB_N DP3_C2MB_P DP3_M2CA_N DP3_M2CA_P DP3_M2CB_N DP3_M2CB_P DP4_C2MA_N DP4_C2MA_P DP4_C2MB_N DP4_C2MB_P DP4_M2CA_N DP4_M2CA_P DP4_M2CB_N DP4_M2CB_P DP5_C2MA_N DP5_C2MA_P DP5_C2MB_N DP5_C2MB_P DP5_M2CA_N DP5_M2CA_P DP5_M2CB_N DP5_M2CB_P DP6_C2MA_N DP6_C2MA_P DP6_C2MB_N DP6_C2MB_P DP6_M2CA_N DP6_M2CA_P DP6_M2CB_N DP6_M2CB_P DP7_C2MA_N DP7_C2MA_P DP7_C2MB_N DP7_C2MB_P DP7_M2CA_N DP7_M2CA_P DP7_M2CB_N DP7_M2CB_P DP8_C2MA_N DP8_C2MA_P DP8_C2MB_N DP8_C2MB_P DP8_M2CA_N DP8_M2CA_P DP8_M2CB_N DP8_M2CB_P DP9_C2MA_N DP9_C2MA_P DP9_C2MB_N DP9_C2MB_P DP9_M2CA_N DP9_M2CA_P DP9_M2CB_N DP9_M2CB_P GBTCLK0_M2CA_N GBTCLK0_M2CA_P GBTCLK0_M2CB_N GBTCLK0_M2CB_P UTP01-RD0_N UTP01-RD0_P UTP01-RD0B_N UTP01-RD0B_P UTP01-TD0_N UTP01-TD0_P UTP01-TD0B_N UTP01-TD0B_P UTP02-RD0_N UTP02-RD0_P UTP02-RD0B_N UTP02-RD0B_P UTP02-TD0_N UTP02-TD0_P UTP02-TD0B_N UTP02-TD0B_P
component class U_SLT3-PAY-1Q2T_P6: P6
component class U_SLT3-PAY-1Q2T_P5: P5
component class U_SLT3-PAY-1Q2T_P4: P4
component class U_SLT3-PAY-1Q2T_P3: P3
component class U_FPGA_Config2: C197B C200B C206B C207B C209B C210B D1B D2B D10B D18B IC15B IC16B J1B R14B R16B R66B R67B R71B R82B R84B R99B R100B R101B R109B R116B R147B R148B R149B
component class SoM2: C3B C4B C33B C114 C115 C116 C225B D4B D8B D11B D13B IC13B IC22B JB1B JB2B JB3B R6B R31B R32B R33 R33B R34B R35B R36B R37B R38B R39B R40B R41B R42B R118B T2B T5B
channel class CLK_Protection: CLK_prot CLK_prot_21
component class SVPXFMC_Carrier_6U_SOM: C211 C212 FTG1 FTG2 FTG3 FTG4 FTG5 FTG6 FTG7 FTG8 R150 R151
component class CLK_prot: D22A D23A T1A
net class SpW_02_out: CPtp01-DB_N CPtp01-DB_P CPtp01-DD_N CPtp01-DD_P CPtp02-DB_N CPtp02-DB_P CPtp02-DD_N CPtp02-DD_P
net class SpW_02_in: CPtp01-DA_N CPtp01-DA_P CPtp01-DC_N CPtp01-DC_P CPtp02-DA_N CPtp02-DA_P CPtp02-DC_N CPtp02-DC_P
net class SpW_01_out: CPtp01-DB_N CPtp01-DB_P CPtp01-DD_N CPtp01-DD_P
net class SpW_01_in: CPtp01-DA_N CPtp01-DA_P CPtp01-DC_N CPtp01-DC_P
net class HSDIFF: AUX_CLK_N AUX_CLK_P AUX_CLKA_N AUX_CLKA_P CPtp01-DA_N CPtp01-DA_P CPtp01-DB_N CPtp01-DB_P CPtp01-DC_N CPtp01-DC_P CPtp01-DD_N CPtp01-DD_P CPtp02-DA_N CPtp02-DA_P CPtp02-DB_N CPtp02-DB_P CPtp02-DC_N CPtp02-DC_P CPtp02-DD_N CPtp02-DD_P REF_CLK1_N REF_CLK1_P REF_CLK2_N REF_CLK2_P SpWA_DinA_N SpWA_DinA_P SpWA_DinB_N SpWA_DinB_P SpWA_DoutA_N SpWA_DoutA_P SpWA_DoutB_N SpWA_DoutB_P SpWA_SinA_N SpWA_SinA_P SpWA_SinB_N SpWA_SinB_P SpWA_SoutA_N SpWA_SoutA_P SpWA_SoutB_N SpWA_SoutB_P SpWAA_DinA_N SpWAA_DinA_P SpWAA_DoutA_N SpWAA_DoutA_P SpWAA_SinA_N SpWAA_SinA_P SpWAA_SoutA_N SpWAA_SoutA_P SpWB_DinB_N SpWB_DinB_P SpWB_DoutB_N SpWB_DoutB_P SpWB_SinB_N SpWB_SinB_P SpWB_SoutB_N SpWB_SoutB_P
component class WR_OSC2: C175B C176B C177B C178B C182B C186B C188B C191B C194B C195B C196B L12B L13B OSC1B OSC2B R86B R98B R103B R104B R105B R108B R111B R112B R113B R114B R119B R120B R121B R122B R123B R124B R125B R126B R127B R128B R129B TP5B TP6B TP7B TP8B
component class U_SLT3-PAY-1Q2T_P2: P2
component class U_SLT3-PAY-1Q2T_P1: D19 P1 R152 R153
component class Interface_prot_A2: C2B C230B IC1B
component class "Supply for FPGA, FMC and SDRAM2": C1B C5B C6B C7B C8B C9B C10B C11B C12B C18B C19B C20B C21B C22B C23B C24B C25B C26B C27B C28B C29B C30B C31B C32B C35B C72B C74B C75B C76B C78B C79B C80B C82B C83B C86B C87B C166B C204B C205B C213B C214B C215B C216B C269B C270B C? D6B D7B D17B IC2B IC4B IC5B IC6B IC7B IC8B IC9B IC12B L1B L3B L4B L6B L8B L9B L10B L? R1B R2B R3B R4B R5B R7B R8B R9B R10B R11B R12B R13B R15B R17B R18B R19B R20B R21B R22B R23B R24B R25B R26B R27B R28B R29B R30B R45B R46B R47B R48B R52B R53B R54B R55B R56B R57B R58B R60B R61B R63B R64B R65B R70B R72B R73B R76B R79B R80B R81B R83B R85B R87B R88B R89B R90B R91B R93B R94B R97B R107B R110B R156B R192B R193B R194B R195B T3B TP9B TP10B TP11B TP13B TP14B U1B U6B U7B
component class U_FMC_connector2: B1B B2B B3B B4B C179B C180B C181B C183B C184B C185B C187B C189B C190B C192B C193B J2B
component class U_SLT3-PAY-1Q2T_P0: C174 D16 D21 K1 K2 K3 NT2 P0 TP15 TP26
component class U_NIC_MSP430_power_jtag2: C172B C173B C199B C201B C202B C203B D5B D12B D14B D15B D20B IC3B J3B L14B R136B R137B R138B R139B R140B R141B R142B R143B R144B R145B R146B
component class U_management2: C232B C233B C234B C253B D9B IC10B IC11B IC31B IC32B R95B R96B R130B R131B R132B R133B R134B R135B R160B R161B
net class Power: 3.3V_AUX 3P3VA 3P3VB 12P0VA 12P0VB GND MAIN_PWR.P2V5A MAIN_PWR.P2V5B MAIN_PWR.P3V3A MAIN_PWR.P3V3B MAIN_PWR.P3V3MPA MAIN_PWR.P3V3MPB MAIN_PWR.P5V0A MAIN_PWR.P5V0B NetC6A_2 NetC6B_2 NetC8A_2 NetC8B_2 NetC19A_2 NetC19B_2 NetC20A_2 NetC20B_2 NetC30A_2 NetC30B_2 NetIC4A_5 NetIC4B_5 P3V3_buckA P5V0_buckA P5V0_buckB P12V0_IN P12V0A P12V0B VADJA VADJB VS1
net class Power_MAIN_BUS: P12V0_IN
differential pair SpWA_SoutA: +SpWA_SoutA_P -SpWA_SoutA_N
differential pair SpWA_SinA: +SpWA_SinA_P -SpWA_SinA_N
differential pair SpWA_DoutA: +SpWA_DoutA_P -SpWA_DoutA_N
differential pair SpWA_DinA: +SpWA_DinA_P -SpWA_DinA_N
differential pair SpWB_SoutB: +SpWB_SoutB_P -SpWB_SoutB_N
differential pair SpWB_SinB: +SpWB_SinB_P -SpWB_SinB_N
differential pair SpWB_DoutB: +SpWB_DoutB_P -SpWB_DoutB_N
differential pair SpWB_DinB: +SpWB_DinB_P -SpWB_DinB_N
differential pair SpWAA_SoutA: +SpWAA_SoutA_P -SpWAA_SoutA_N
differential pair SpWAA_SinA: +SpWAA_SinA_P -SpWAA_SinA_N
differential pair SpWAA_DoutA: +SpWAA_DoutA_P -SpWAA_DoutA_N
differential pair SpWAA_DinA: +SpWAA_DinA_P -SpWAA_DinA_N
differential pair SpWA_SoutB: +SpWA_SoutB_P -SpWA_SoutB_N
differential pair SpWA_SinB: +SpWA_SinB_P -SpWA_SinB_N
differential pair SpWA_DoutB: +SpWA_DoutB_P -SpWA_DoutB_N
differential pair SpWA_DinB: +SpWA_DinB_P -SpWA_DinB_N
differential pair H_DCXOB: +H_DCXOB_P -H_DCXOB_N
differential pair H_DCXOA: +H_DCXOA_P -H_DCXOA_N
differential pair UTP02-TD0B: +UTP02-TD0B_P -UTP02-TD0B_N
differential pair UTP02-RD0B: +UTP02-RD0B_P -UTP02-RD0B_N
differential pair UTP01-TD0B: +UTP01-TD0B_P -UTP01-TD0B_N
differential pair UTP01-RD0B: +UTP01-RD0B_P -UTP01-RD0B_N
differential pair AUX_CLKA: +AUX_CLKA_P -AUX_CLKA_N
differential pair Main_DCXOB: +Main_DCXOB_P -Main_DCXOB_N
differential pair Main_DCXOA: +Main_DCXOA_P -Main_DCXOA_N
differential pair M_DCXOB: +M_DCXOB_P -M_DCXOB_N
differential pair M_DCXOA: +M_DCXOA_P -M_DCXOA_N
differential pair LA33B: +LA33B_P -LA33B_N
differential pair LA33A: +LA33A_P -LA33A_N
differential pair LA32B: +LA32B_P -LA32B_N
differential pair LA32A: +LA32A_P -LA32A_N
differential pair LA31B: +LA31B_P -LA31B_N
differential pair LA31A: +LA31A_P -LA31A_N
differential pair LA30B: +LA30B_P -LA30B_N
differential pair LA30A: +LA30A_P -LA30A_N
differential pair LA29B: +LA29B_P -LA29B_N
differential pair LA29A: +LA29A_P -LA29A_N
differential pair LA28B: +LA28B_P -LA28B_N
differential pair LA28A: +LA28A_P -LA28A_N
differential pair LA27B: +LA27B_P -LA27B_N
differential pair LA27A: +LA27A_P -LA27A_N
differential pair LA26B: +LA26B_P -LA26B_N
differential pair LA26A: +LA26A_P -LA26A_N
differential pair LA25B: +LA25B_P -LA25B_N
differential pair LA25A: +LA25A_P -LA25A_N
differential pair LA24B: +LA24B_P -LA24B_N
differential pair LA24A: +LA24A_P -LA24A_N
differential pair LA23B: +LA23B_P -LA23B_N
differential pair LA23A: +LA23A_P -LA23A_N
differential pair LA22B: +LA22B_P -LA22B_N
differential pair LA22A: +LA22A_P -LA22A_N
differential pair LA21B: +LA21B_P -LA21B_N
differential pair LA21A: +LA21A_P -LA21A_N
differential pair LA20B: +LA20B_P -LA20B_N
differential pair LA20A: +LA20A_P -LA20A_N
differential pair LA19B: +LA19B_P -LA19B_N
differential pair LA19A: +LA19A_P -LA19A_N
differential pair LA18_CCB: +LA18_CCB_P -LA18_CCB_N
differential pair LA18_CCA: +LA18_CCA_P -LA18_CCA_N
differential pair LA17_CCB: +LA17_CCB_P -LA17_CCB_N
differential pair LA17_CCA: +LA17_CCA_P -LA17_CCA_N
differential pair LA16B: +LA16B_P -LA16B_N
differential pair LA16A: +LA16A_P -LA16A_N
differential pair LA15B: +LA15B_P -LA15B_N
differential pair LA15A: +LA15A_P -LA15A_N
differential pair LA14B: +LA14B_P -LA14B_N
differential pair LA14A: +LA14A_P -LA14A_N
differential pair LA13B: +LA13B_P -LA13B_N
differential pair LA13A: +LA13A_P -LA13A_N
differential pair LA12B: +LA12B_P -LA12B_N
differential pair LA12A: +LA12A_P -LA12A_N
differential pair LA11B: +LA11B_P -LA11B_N
differential pair LA11A: +LA11A_P -LA11A_N
differential pair LA10B: +LA10B_P -LA10B_N
differential pair LA10A: +LA10A_P -LA10A_N
differential pair LA09B: +LA09B_P -LA09B_N
differential pair LA09A: +LA09A_P -LA09A_N
differential pair LA08B: +LA08B_P -LA08B_N
differential pair LA08A: +LA08A_P -LA08A_N
differential pair LA07B: +LA07B_P -LA07B_N
differential pair LA07A: +LA07A_P -LA07A_N
differential pair LA06B: +LA06B_P -LA06B_N
differential pair LA06A: +LA06A_P -LA06A_N
differential pair LA05B: +LA05B_P -LA05B_N
differential pair LA05A: +LA05A_P -LA05A_N
differential pair LA04B: +LA04B_P -LA04B_N
differential pair LA04A: +LA04A_P -LA04A_N
differential pair LA03B: +LA03B_P -LA03B_N
differential pair LA03A: +LA03A_P -LA03A_N
differential pair LA02B: +LA02B_P -LA02B_N
differential pair LA02A: +LA02A_P -LA02A_N
differential pair LA01_CCB: +LA01_CCB_P -LA01_CCB_N
differential pair LA01_CCA: +LA01_CCA_P -LA01_CCA_N
differential pair LA00_CCB: +LA00_CCB_P -LA00_CCB_N
differential pair LA00_CCA: +LA00_CCA_P -LA00_CCA_N
differential pair Helper_DCXOB: +Helper_DCXOB_P -Helper_DCXOB_N
differential pair Helper_DCXOA: +Helper_DCXOA_P -Helper_DCXOA_N
differential pair HB21B: +HB21B_P -HB21B_N
differential pair HB21A: +HB21A_P -HB21A_N
differential pair HB20B: +HB20B_P -HB20B_N
differential pair HB20A: +HB20A_P -HB20A_N
differential pair HB19B: +HB19B_P -HB19B_N
differential pair HB19A: +HB19A_P -HB19A_N
differential pair HB18B: +HB18B_P -HB18B_N
differential pair HB18A: +HB18A_P -HB18A_N
differential pair HB17_CCB: +HB17_CCB_P -HB17_CCB_N
differential pair HB17_CCA: +HB17_CCA_P -HB17_CCA_N
differential pair HB16B: +HB16B_P -HB16B_N
differential pair HB16A: +HB16A_P -HB16A_N
differential pair HB15B: +HB15B_P -HB15B_N
differential pair HB15A: +HB15A_P -HB15A_N
differential pair HB14B: +HB14B_P -HB14B_N
differential pair HB14A: +HB14A_P -HB14A_N
differential pair HB13B: +HB13B_P -HB13B_N
differential pair HB13A: +HB13A_P -HB13A_N
differential pair HB12B: +HB12B_P -HB12B_N
differential pair HB12A: +HB12A_P -HB12A_N
differential pair HB11B: +HB11B_P -HB11B_N
differential pair HB11A: +HB11A_P -HB11A_N
differential pair HB10B: +HB10B_P -HB10B_N
differential pair HB10A: +HB10A_P -HB10A_N
differential pair HB09B: +HB09B_P -HB09B_N
differential pair HB09A: +HB09A_P -HB09A_N
differential pair HB08B: +HB08B_P -HB08B_N
differential pair HB08A: +HB08A_P -HB08A_N
differential pair HB07B: +HB07B_P -HB07B_N
differential pair HB07A: +HB07A_P -HB07A_N
differential pair HB06_CCB: +HB06_CCB_P -HB06_CCB_N
differential pair HB06_CCA: +HB06_CCA_P -HB06_CCA_N
differential pair HB05B: +HB05B_P -HB05B_N
differential pair HB05A: +HB05A_P -HB05A_N
differential pair HB04B: +HB04B_P -HB04B_N
differential pair HB04A: +HB04A_P -HB04A_N
differential pair HB03B: +HB03B_P -HB03B_N
differential pair HB03A: +HB03A_P -HB03A_N
differential pair HB02B: +HB02B_P -HB02B_N
differential pair HB02A: +HB02A_P -HB02A_N
differential pair HB01B: +HB01B_P -HB01B_N
differential pair HB01A: +HB01A_P -HB01A_N
differential pair HB00_CCB: +HB00_CCB_P -HB00_CCB_N
differential pair HB00_CCA: +HB00_CCA_P -HB00_CCA_N
differential pair HA23B: +HA23B_P -HA23B_N
differential pair HA23A: +HA23A_P -HA23A_N
differential pair HA22B: +HA22B_P -HA22B_N
differential pair HA22A: +HA22A_P -HA22A_N
differential pair HA21B: +HA21B_P -HA21B_N
differential pair HA21A: +HA21A_P -HA21A_N
differential pair HA20B: +HA20B_P -HA20B_N
differential pair HA20A: +HA20A_P -HA20A_N
differential pair HA19B: +HA19B_P -HA19B_N
differential pair HA19A: +HA19A_P -HA19A_N
differential pair HA18B: +HA18B_P -HA18B_N
differential pair HA18A: +HA18A_P -HA18A_N
differential pair HA17_CCB: +HA17_CCB_P -HA17_CCB_N
differential pair HA17_CCA: +HA17_CCA_P -HA17_CCA_N
differential pair HA16B: +HA16B_P -HA16B_N
differential pair HA16A: +HA16A_P -HA16A_N
differential pair HA15B: +HA15B_P -HA15B_N
differential pair HA15A: +HA15A_P -HA15A_N
differential pair HA14B: +HA14B_P -HA14B_N
differential pair HA14A: +HA14A_P -HA14A_N
differential pair HA13B: +HA13B_P -HA13B_N
differential pair HA13A: +HA13A_P -HA13A_N
differential pair HA12B: +HA12B_P -HA12B_N
differential pair HA12A: +HA12A_P -HA12A_N
differential pair HA11B: +HA11B_P -HA11B_N
differential pair HA11A: +HA11A_P -HA11A_N
differential pair HA10B: +HA10B_P -HA10B_N
differential pair HA10A: +HA10A_P -HA10A_N
differential pair HA09B: +HA09B_P -HA09B_N
differential pair HA09A: +HA09A_P -HA09A_N
differential pair HA08B: +HA08B_P -HA08B_N
differential pair HA08A: +HA08A_P -HA08A_N
differential pair HA07B: +HA07B_P -HA07B_N
differential pair HA07A: +HA07A_P -HA07A_N
differential pair HA06B: +HA06B_P -HA06B_N
differential pair HA06A: +HA06A_P -HA06A_N
differential pair HA05B: +HA05B_P -HA05B_N
differential pair HA05A: +HA05A_P -HA05A_N
differential pair HA04B: +HA04B_P -HA04B_N
differential pair HA04A: +HA04A_P -HA04A_N